# Altium PCB jlin_transceiver_prototype.PcbDoc (part 1 of 2)
Units mil, origin at the board's own origin, x right, y up, seen from the top; angles counter-clockwise.
Board outline 3696 x 3830 mil, 4 copper layers (L1-CU, L2-CU, L3-CU, L4-CU), stack 63.09 mil thick; 90 components, 49 nets, 431 pads, 313 vias.
Unrouted connection lines stored in the file: 680.
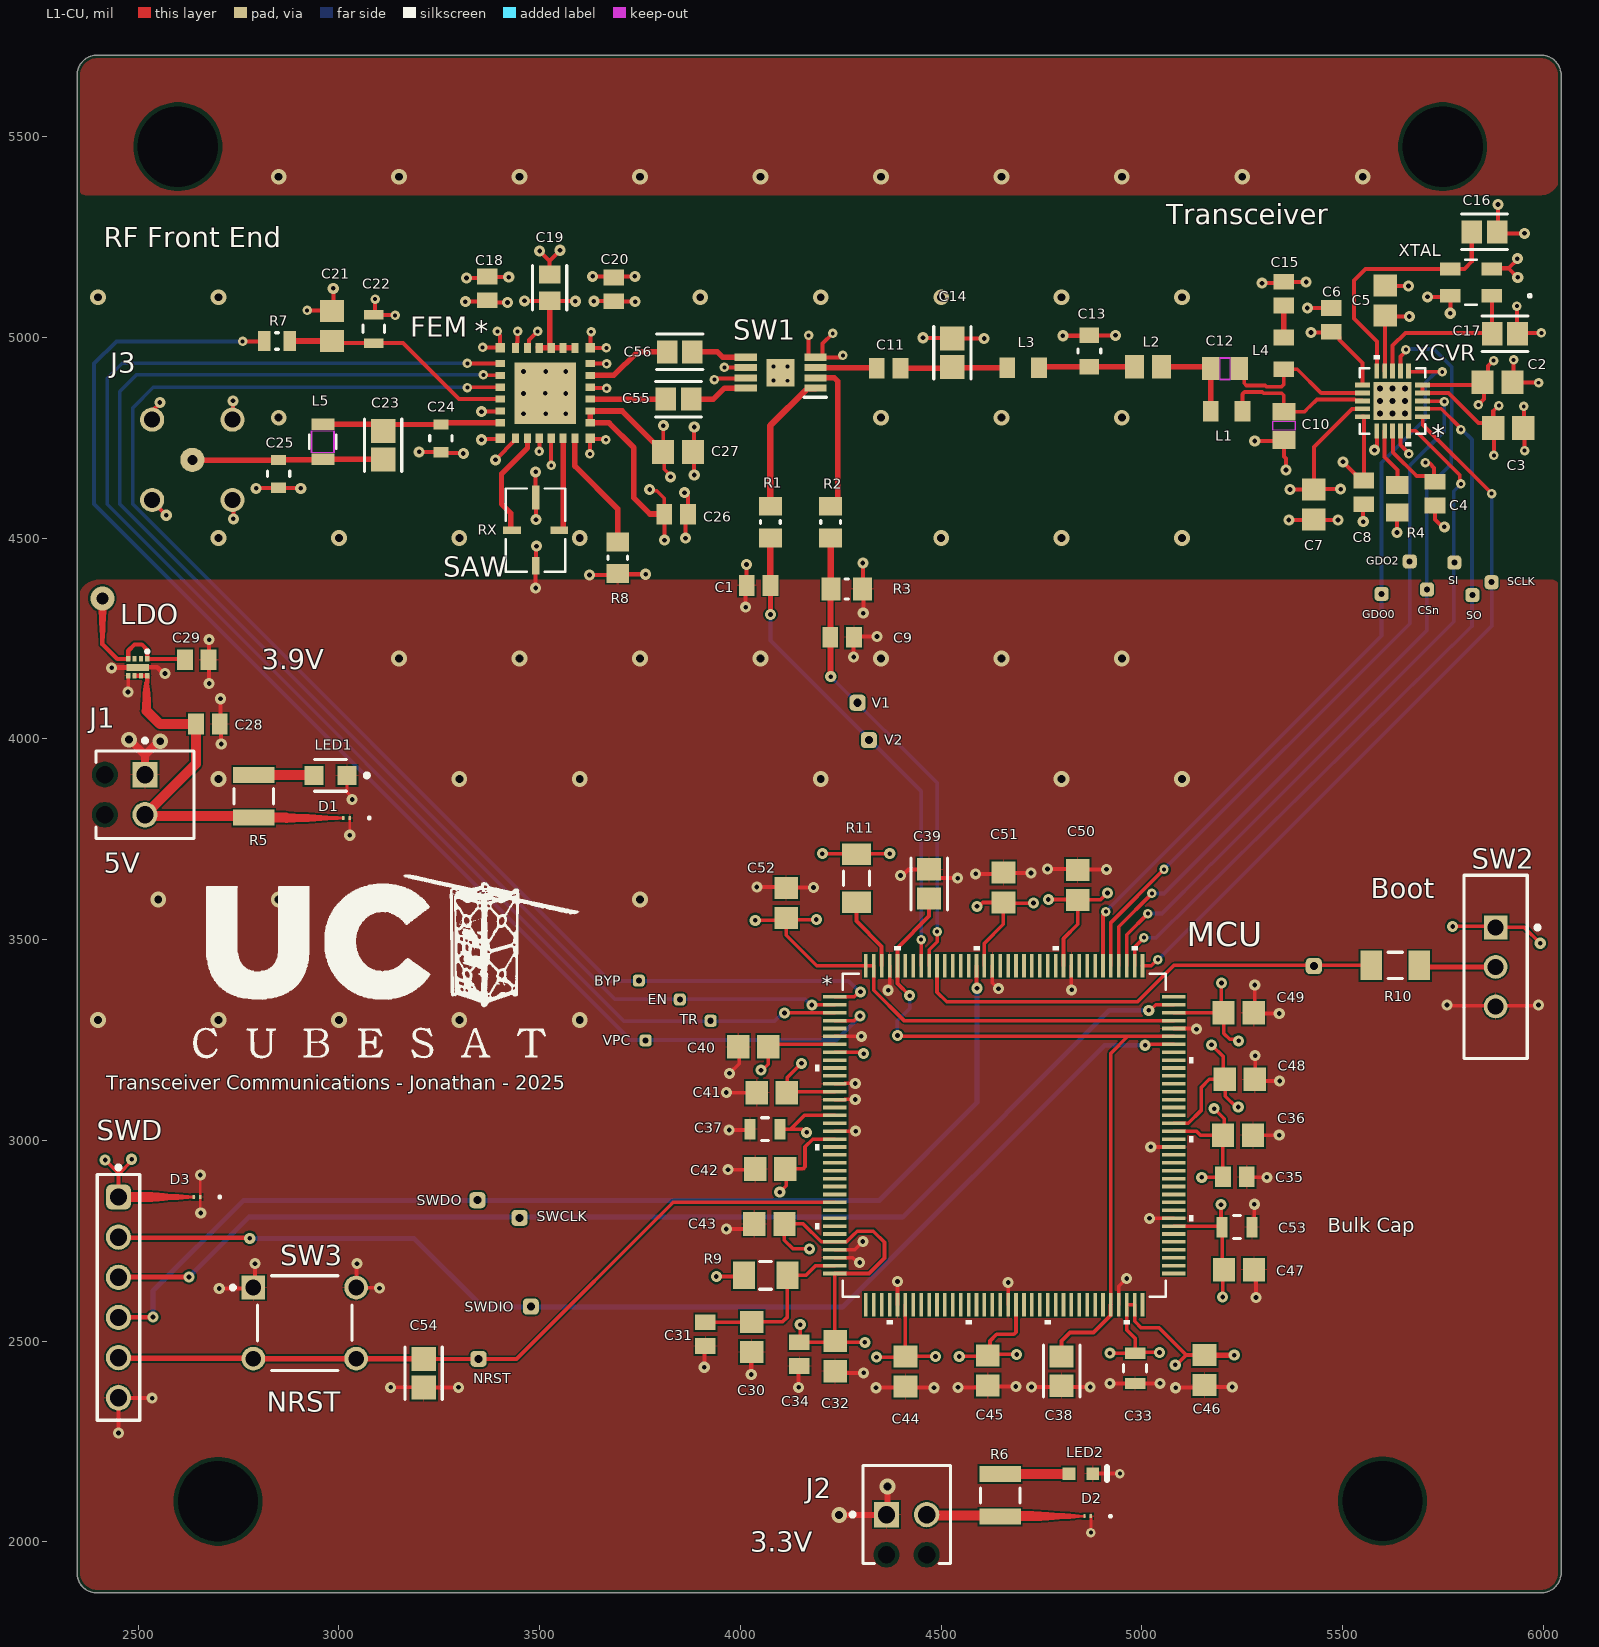
[diagram p0: L1-CU view]
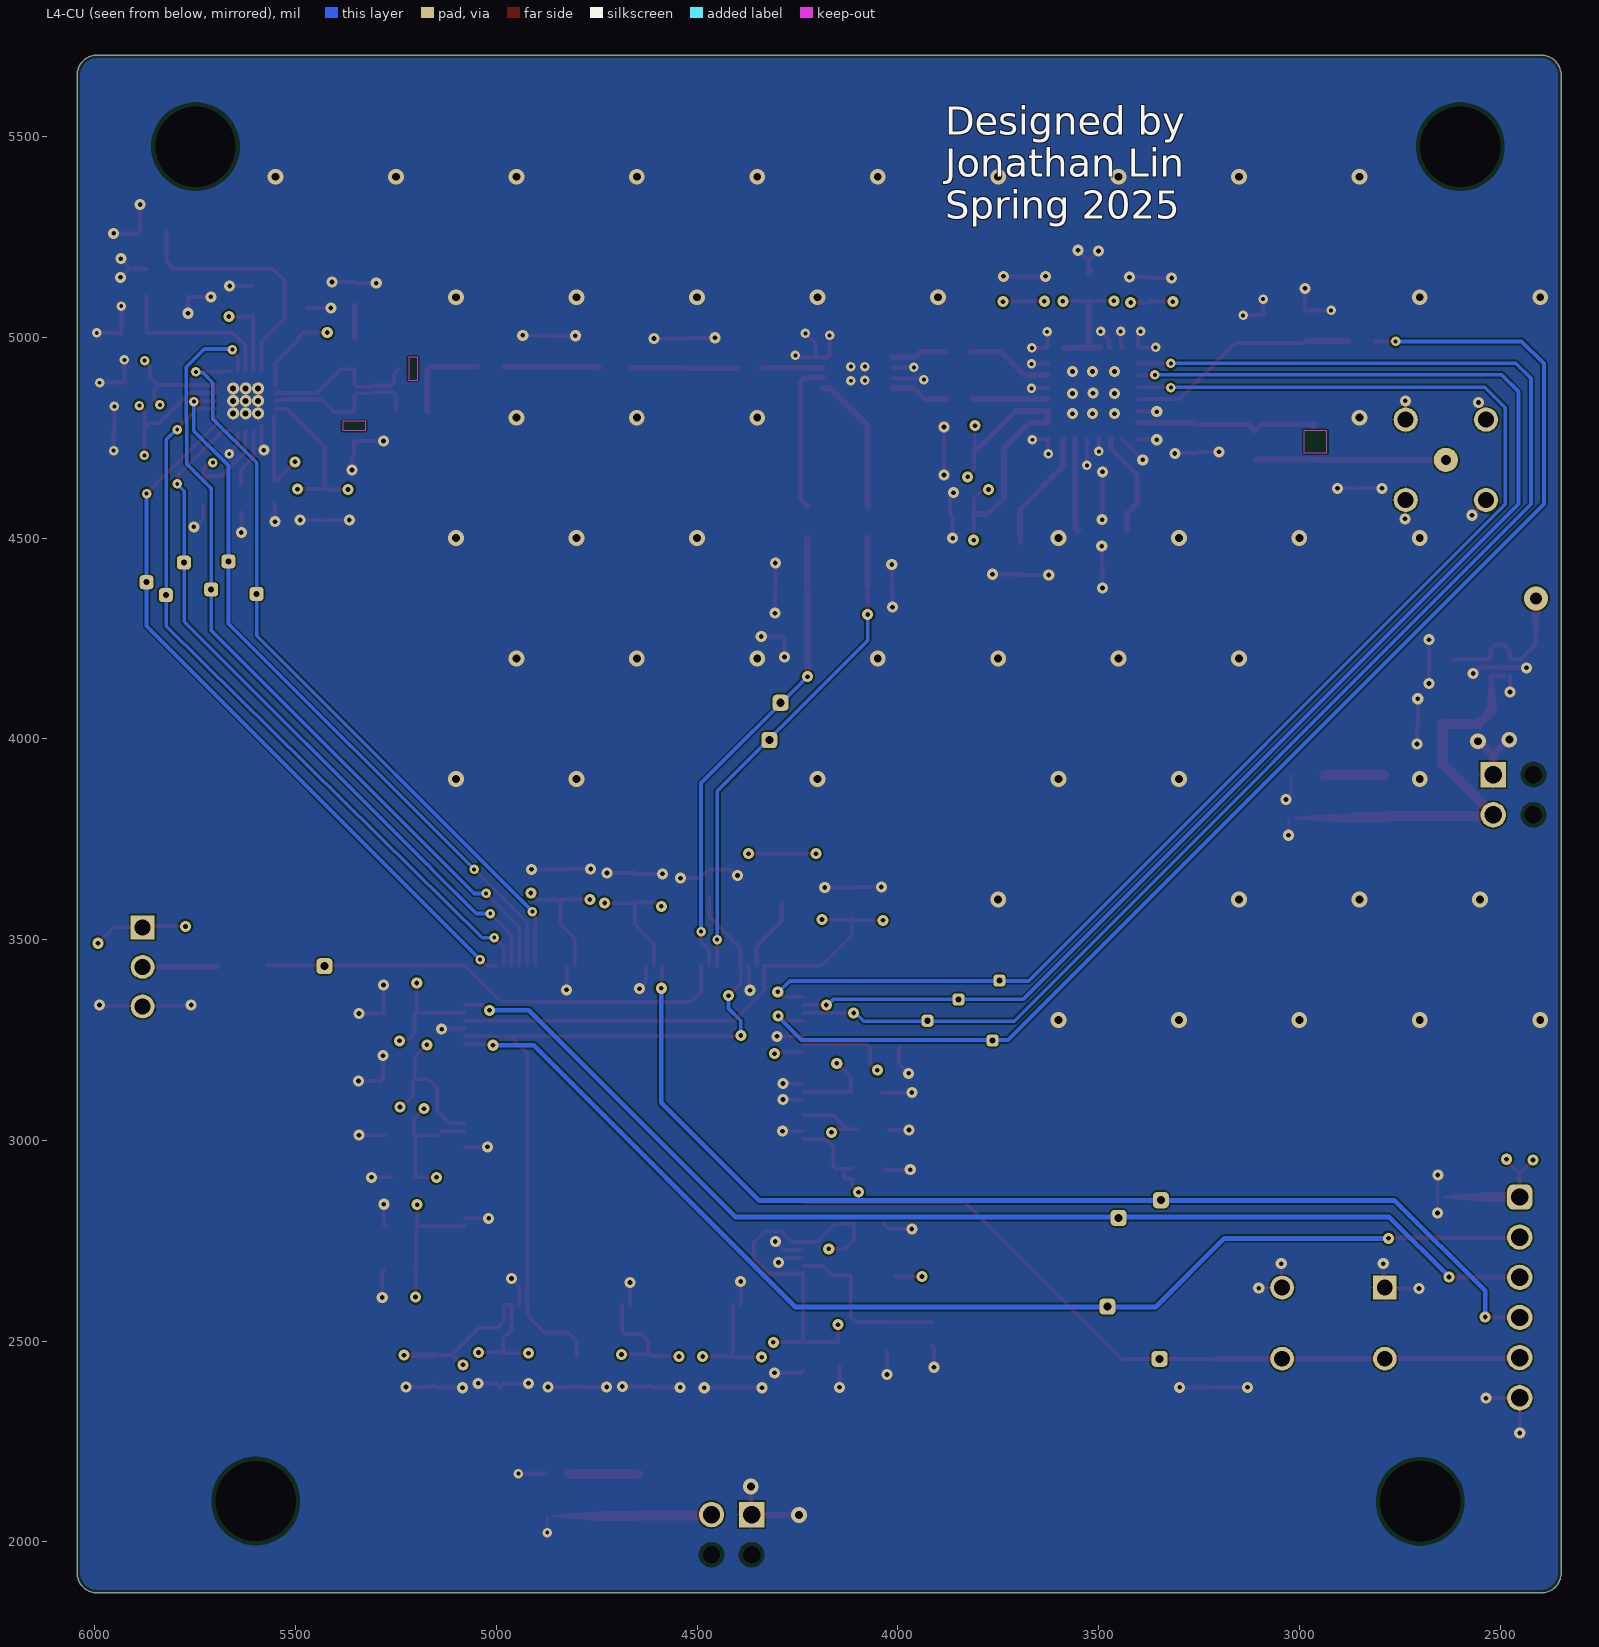
[diagram p1: L4-CU view, seen from below]
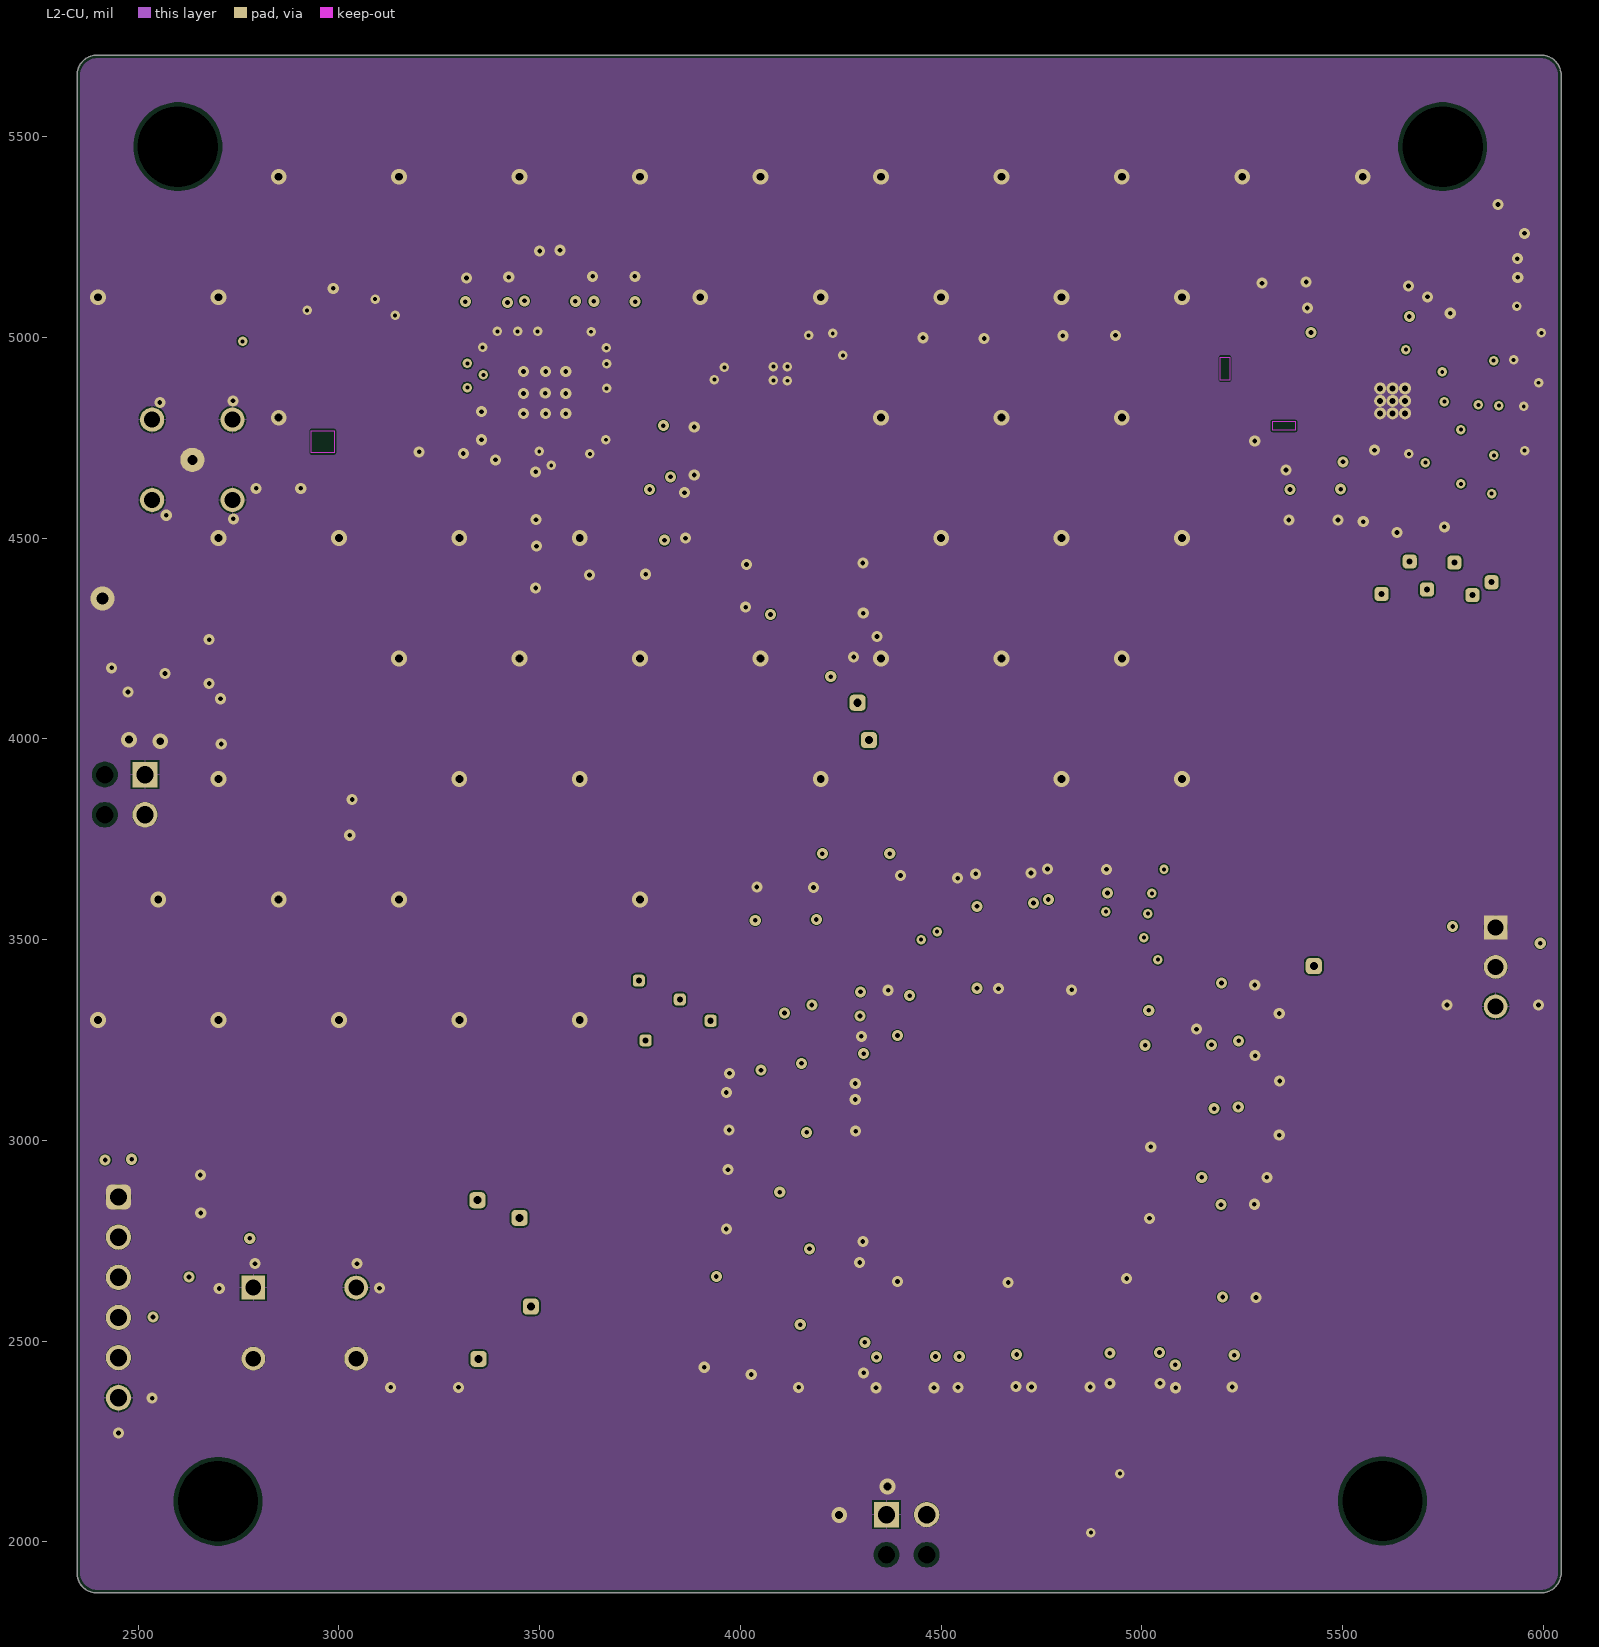
[diagram p2: L2-CU]
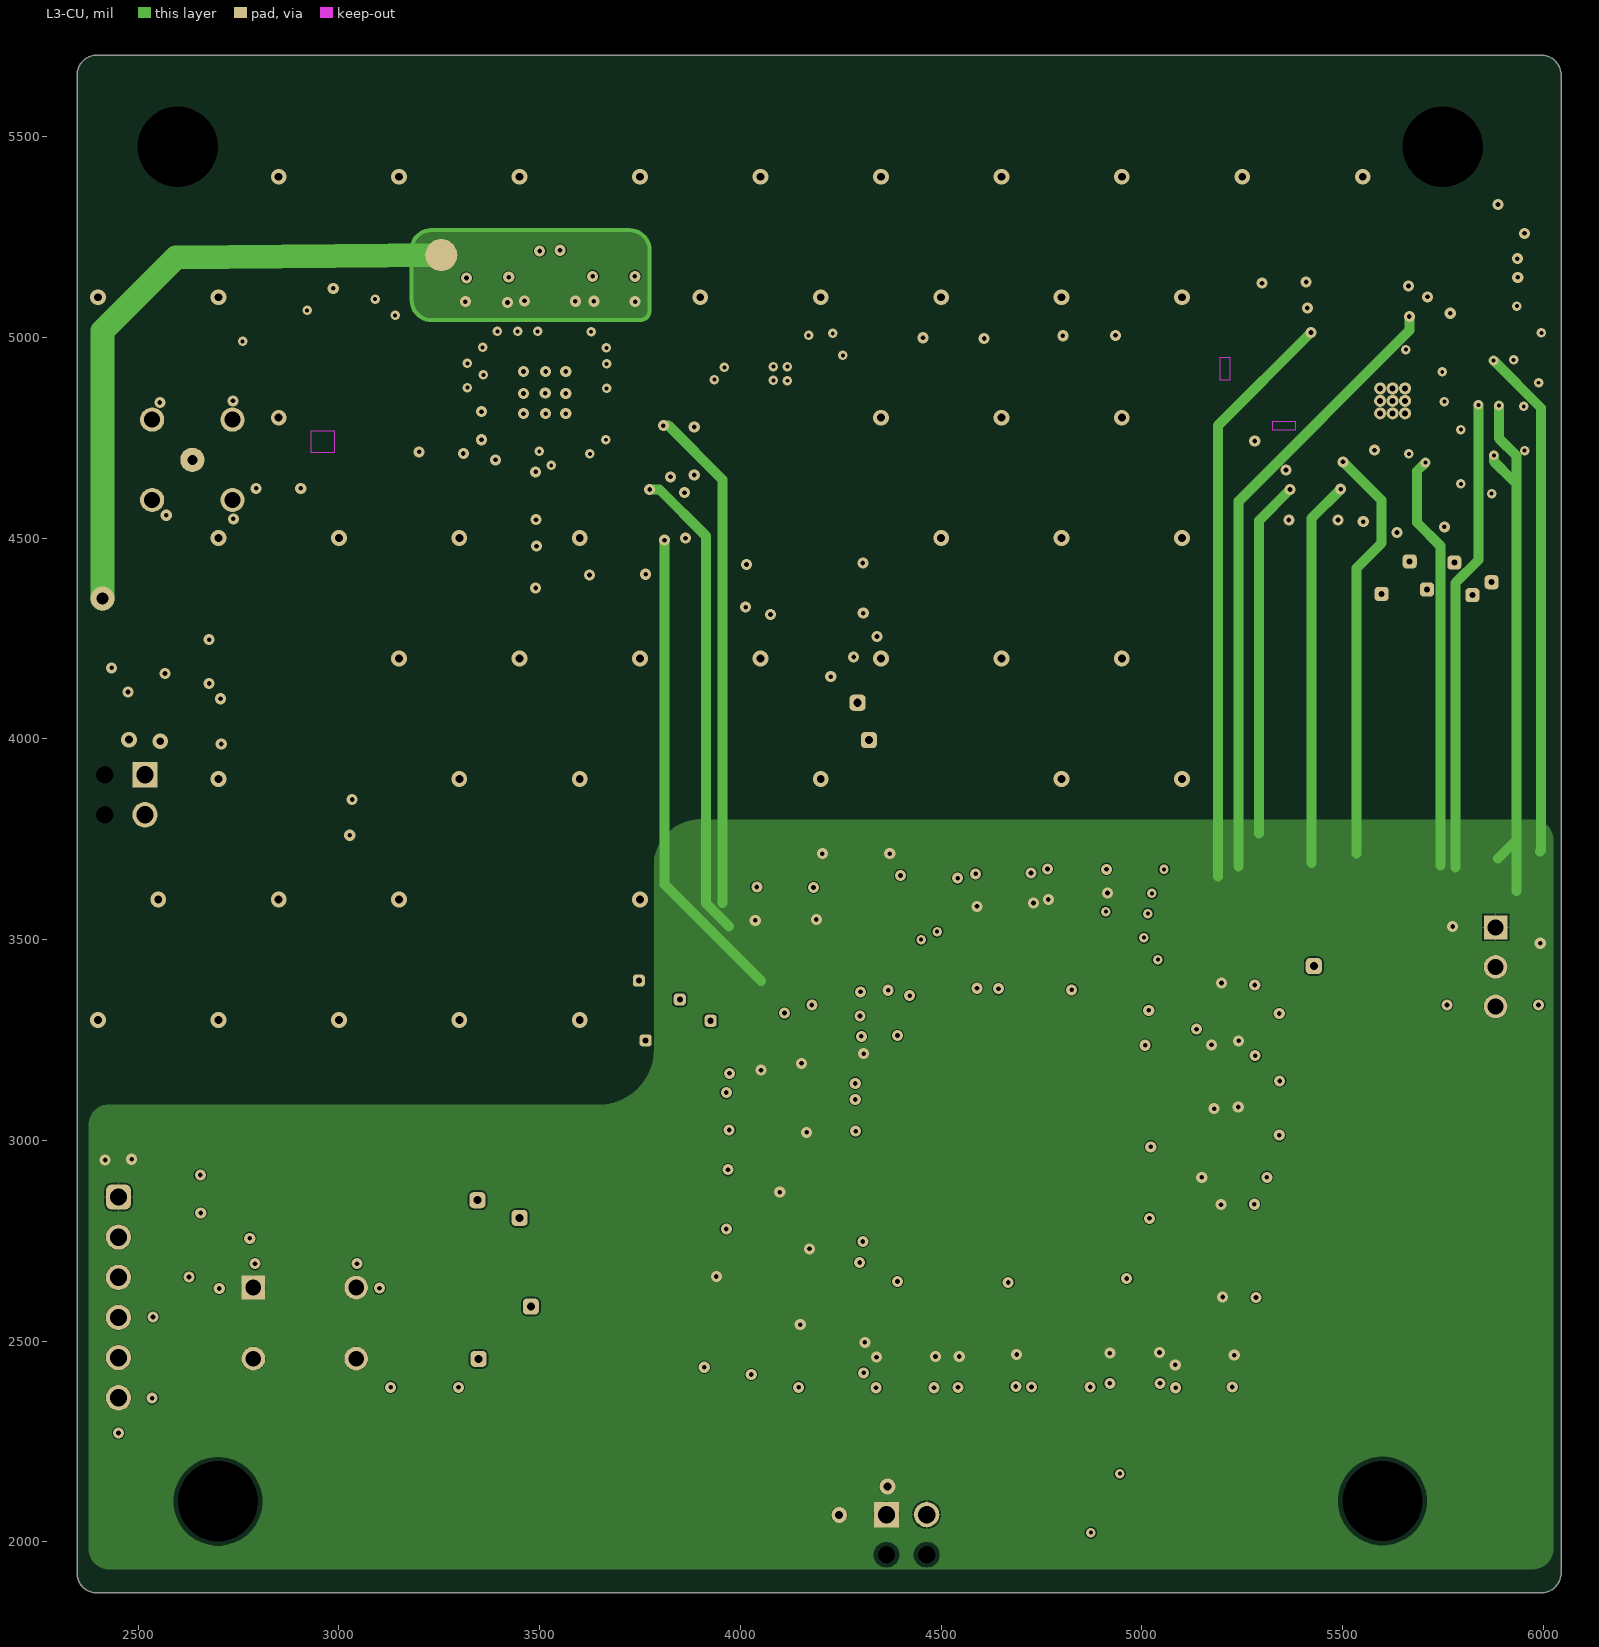
[diagram p3: L3-CU]
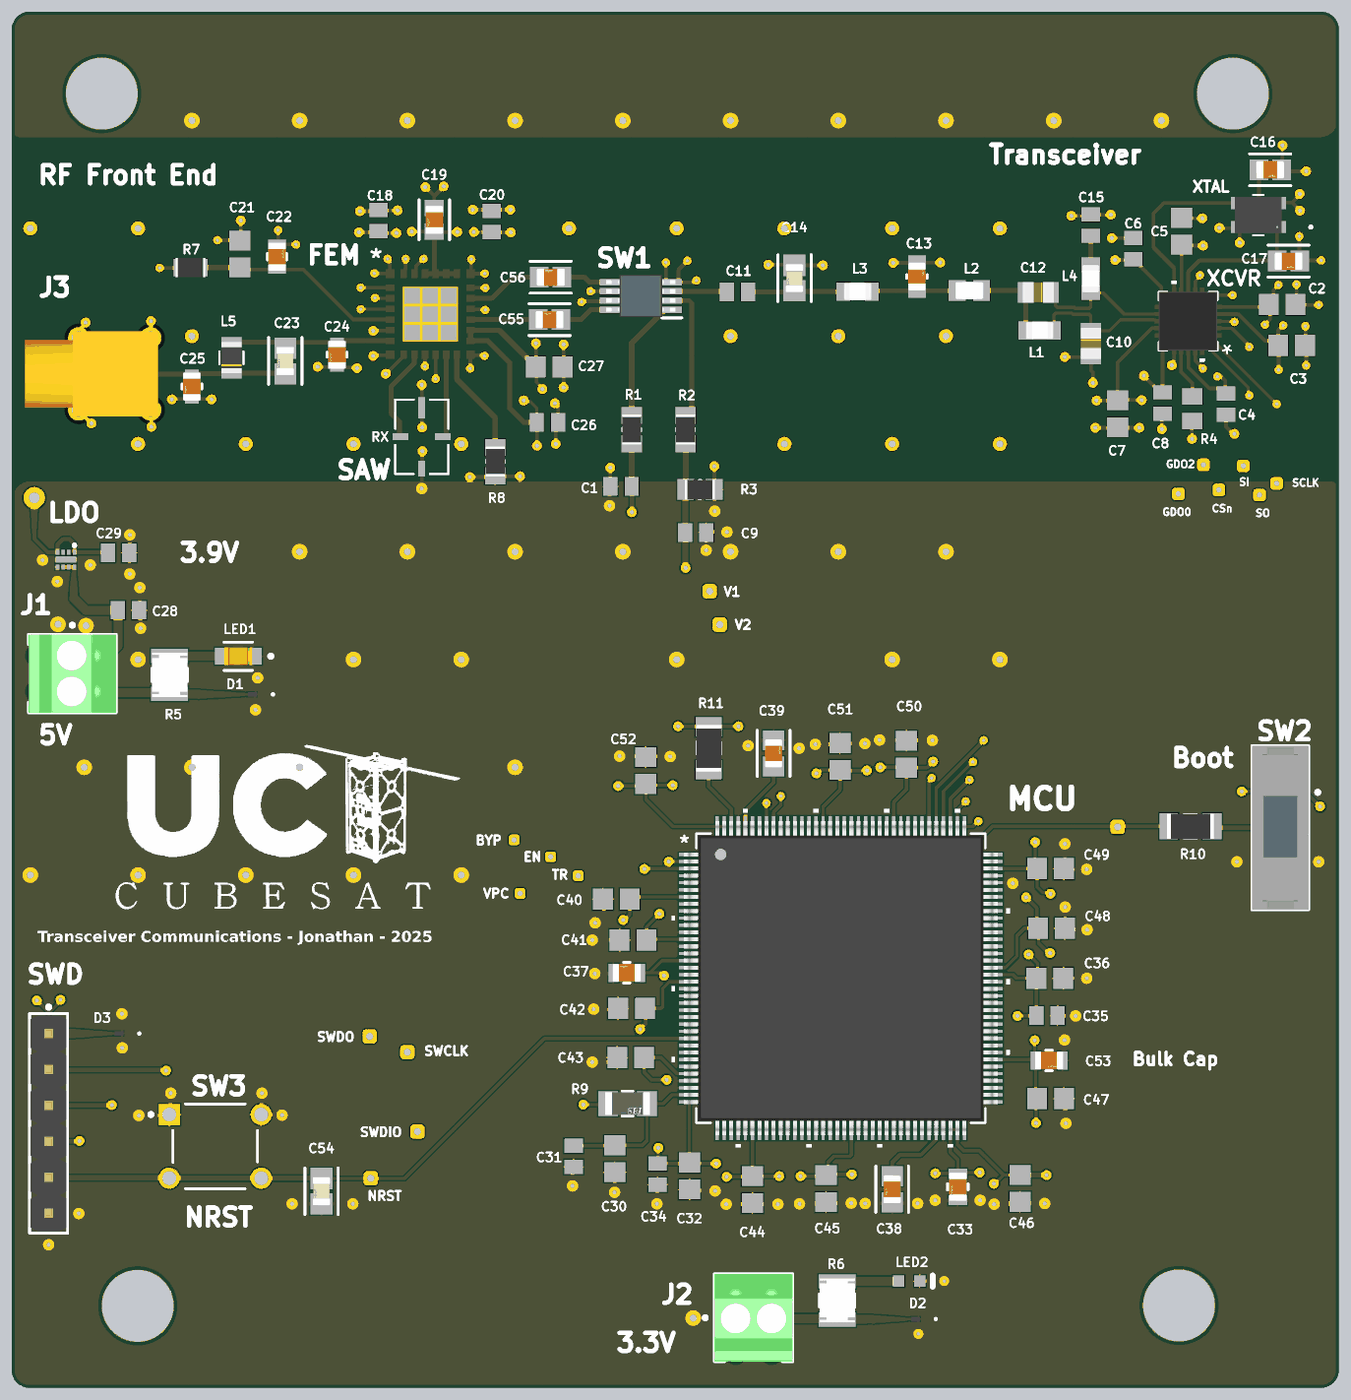
[diagram p5: 3D render of the assembled board from above, using the file's embedded part models]

## Layer stack, top to bottom
Top Solder: solder mask 0.394, Solder Resist, Dk 3.3
L1-CU: signal copper 1.38
Dielectric 1: prepreg 8.6, PP-023, Dk 4.5
L2-CU: signal copper 0.6
Core: core 41.93, FR4, Dk 4.6
L3-CU: signal copper 0.6
Dielectric 3: prepreg 8.6, PP-023, Dk 4.5
L4-CU: signal copper 1.38
Board Layer Stack Bottom Solder: solder mask 0.394, Solder Resist, Dk 3.3

## Board outline
2348,1922.31 2348,2101.11 2348,2093 2348,5653 cw(c2398,5653) 2398,5703 5994,5703 cw(c5994,5653) 6044,5653 6044,2958 6044,1923 cw(c5994,1923) 5994,1873 2397.31,1873 cw(c2397.31,1922.31)

## Design rules (kind name [scope] priority, off if disabled: settings)
BoardOutlineClearance [All] p1: gap=7.87 ignorepadtopadclearanceinfootprint=FALSE
Clearance [All] p1: gap=4 ignorepadtopadclearanceinfootprint=TRUE except(5: Arc-Via Track-Via SMDPad-Via THPad-Via Via-Via Via-Fill Via-Poly Via-Region Via-Text; 10: Arc-Hole Track-Hole SMDPad-Hole THPad-Hole Via-Hole Fill-Hole Poly-Hole Region-Hole Text-Hole)
ComponentClearance [All] p1: gap=4 collisioncheckmode=3 verticalgap=4 showdistances=TRUE
DiffPairsRouting [InDifferentialPairClass('All Differential Pairs')] p1: maxlimit=7 minlimit=7 mostfreqgap=7 toplayer_minwidth=9.09 toplayer_maxwidth=9.09 toplayer_prefwidth=9.09 midlayer1_minwidth=5.71 midlayer1_maxwidth=5.71 midlayer1_prefwidth=5.71 midlayer2_minwidth=5.71 midlayer2_maxwidth=5.71 midlayer2_prefwidth=5.71 bottomlayer_minwidth=9.09 bottomlayer_maxwidth=9.09 bottomlayer_prefwidth=9.09 impedanceprofiledriven=TRUE impedanceprofileid={1A19D718-767F-4CA3-BE74-93DCD26AF27F} impedanceprofilevalue=100.000000 maxuncoupledlength=500
Height [All] p1: minheight=0 maxheight=71497.94 prefheight=500
HoleSize [All] p1: absolutevalues=TRUE maxlimit=248.03 minlimit=7.87 maxpercent=80.000 minpercent=20.000
HoleToHoleClearance [All] p1: gap=10 allowstackedmicrovias=FALSE
MatchedLengths [InDifferentialPair('RF')] p1: tolerance=100 checknetsindiffpair=TRUE checkdiffpairvsdiffpair=FALSE checkxsignals=FALSE checkothers=FALSE
MinimumAnnularRing [All] p1: minimumring=6
MinimumSolderMaskSliver XCVR-MinimumSolderMaskSliver [HasFootprint('CC1101RGP-Footprint-1') vs HasFootprint('CC1101RGP-Footprint-1')] p1: minsoldermaskwidth=2
MinimumSolderMaskSliver "RF Switch" [HasFootprint('SOP65P490X106-9N') vs HasFootprint('SOP65P490X106-9N')] p2: minsoldermaskwidth=2
MinimumSolderMaskSliver LDO [HasFootprint('NCP186AMX330TAG') vs HasFootprint('NCP186AMX330TAG')] p3: minsoldermaskwidth=1
MinimumSolderMaskSliver MinimumSolderMaskSliver_2 [All] p4: minsoldermaskwidth=6
PlaneClearance [All] p1: clearance=4
PlaneConnect PlaneConnectPowerPads [InPadClass('PowerPads')] p1: planeconnectstyle=Relief reliefexpansion=20 reliefentries=4 reliefconductorwidth=10 reliefairgap=10
PlaneConnect [All] p2: pad.planeconnectstyle=Relief pad.reliefexpansion=11.81 pad.reliefentries=4 pad.reliefconductorwidth=4 pad.reliefairgap=4 via.planeconnectstyle=Direct via.reliefexpansion=11.81 via.reliefentries=4 via.reliefconductorwidth=5 via.reliefairgap=5
PolygonConnect PolygonConnectPowerPads [All vs (InPadClass('PowerPads'))] p1: connectstyle=Direct reliefconductorwidth=10 reliefentries=4 polygonreliefangle="90 Angle" airgapwidth=10
PolygonConnect [All] p2: thpad.connectstyle=Relief thpad.reliefconductorwidth=4 thpad.reliefentries=4 thpad.polygonreliefangle="90 Angle" thpad.airgapwidth=4 smdpad.connectstyle=Relief smdpad.reliefconductorwidth=4 smdpad.reliefentries=4 smdpad.polygonreliefangle="90 Angle" smdpad.airgapwidth=4 via.connectstyle=Direct via.reliefconductorwidth=5 via.reliefentries=4 via.polygonreliefangle="90 Angle" via.airgapwidth=5
RoutingVias [All] p1: holewidth=7.87 width=17.72 viastyle="Through Hole" minholewidth=7.87 minwidth=17.72 maxholewidth=248.03 maxwidth=257.87
SilkToSilkClearance [All] p1: silktosilkclearance=5
SilkToSolderMaskClearance "LDO silk to solder" [HasFootprint('NCP186AMX330TAG') vs HasFootprint('NCP186AMX330TAG')] p1: minsilkscreentomaskgap=1 clearancetoexposedcopper=TRUE
SilkToSolderMaskClearance [IsPad] p2: minsilkscreentomaskgap=5 clearancetoexposedcopper=TRUE
SolderMaskExpansion [All] p1: expansion=2 istentingtop=FALSE
SupplyNets "Schematic Supply Nets_5" [InNet('3.9V')] p1: voltage=0.000
SupplyNets "Schematic Supply Nets_3" [InNet('VREF+')] p2: voltage=0.000